# Allegro board 6089-103-RevA_73.brd (continued)
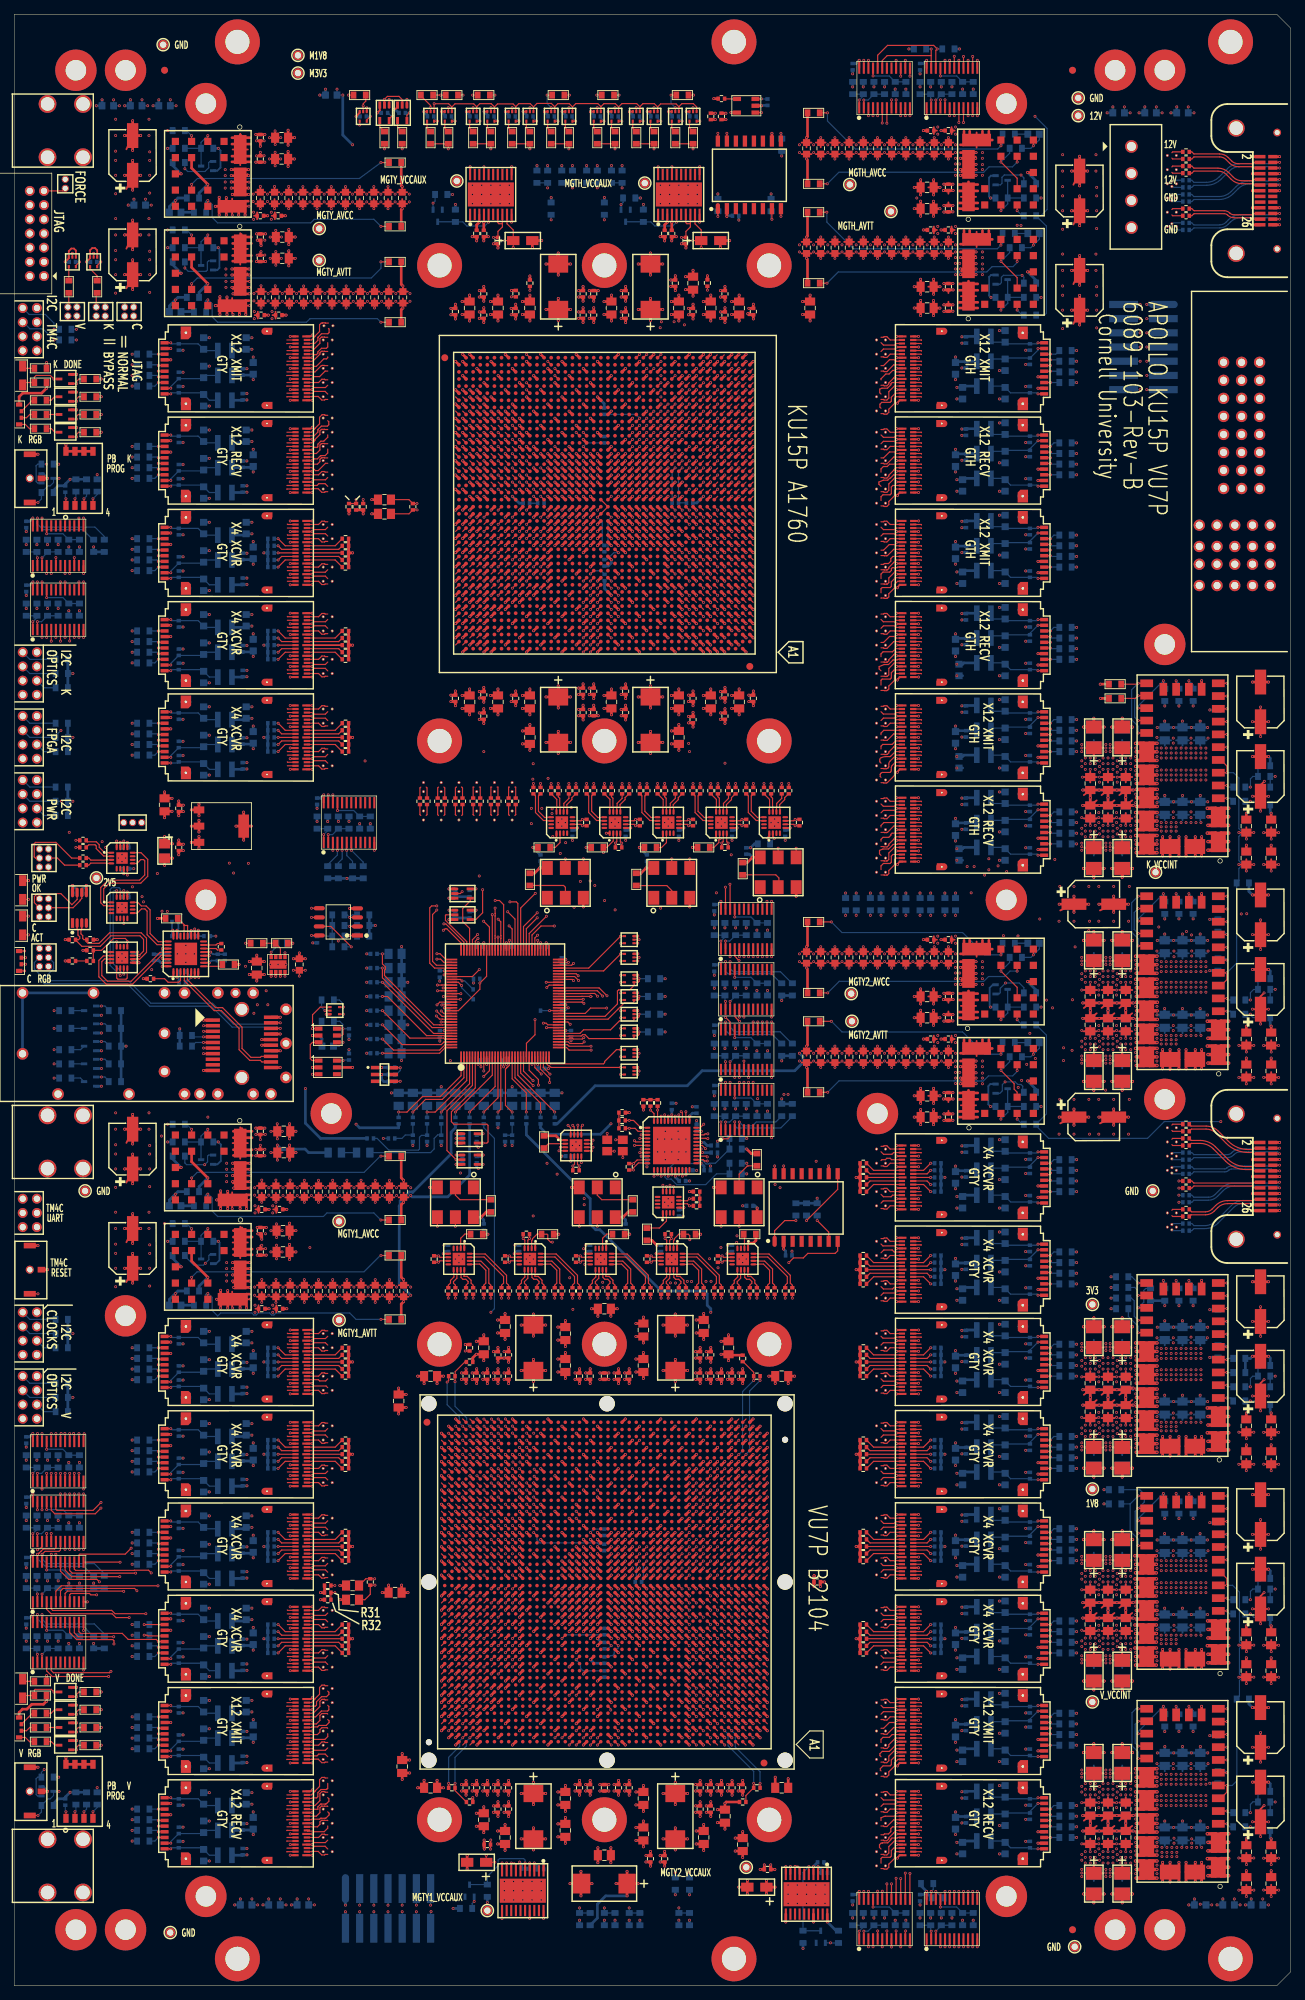
[diagram p0: board, top side]
## Routing (per net, layer and track width the routed paths; a pad name or vN(x,y) marks a point on that pad's centre or on a via; arc(x,y) is an arc through that point) (continued)
PV_FF6_XMIT2: length 27.4
  TOP w0.165: U115.A6 123.49,46.9 123.03,47.36 122.64,47.36 122.56,47.28 122.2,47.28 ; U66.T7 100.17,48.94
  SIG4 w0.083: 122.2,47.28 121.38,47.28 arc(121.28,47.26) 121.2,47.21 121,47.01 arc(120.94,46.97) 120.87,46.96 120.33,46.96 arc(120,47.03) 119.71,47.22 117.46,49.47 arc(117.33,49.56) 117.17,49.59 100.94,49.59 arc(100.73,49.52) 100.59,49.35 arc(100.57,49.27) 100.57,49.19 100.57,49.06 arc(100.56,49.03) 100.54,49 100.48,48.94 100.17,48.94
PV_FF6_XMIT3: length 33.5
  TOP w0.165: 127.95,46.93 127.95,46.9 U115.B6 ; U66.U9 98.17,49.93
  SIG2 w0.083: 98.17,49.93 98.48,49.93 98.56,50.02 98.56,50.15 arc(98.58,50.27) 98.65,50.38 98.68,50.4 arc(98.77,50.47) 98.89,50.49 120.42,50.49 arc(120.8,50.41) 121.13,50.19 121.28,50.05 arc(121.5,49.9) 121.76,49.85 123.19,49.85 arc(123.64,49.76) 124.03,49.5 126.49,47.03 arc(126.76,46.86) 127.07,46.8 127.81,46.8 127.95,46.93
PV_FF7_RECV0: length 31
  TOP w0.165: U25.B17 38.55,84.4 38.5,84.45 ; U66.AU45 61.25,70.85
  SIG1 w0.083: 61.25,70.85 60.96,70.85 arc(60.93,70.86) 60.9,70.88 60.84,70.93 60.84,71.09 arc(60.82,71.2) 60.76,71.29 60.63,71.42 arc(60.53,71.49) 60.42,71.51 59.52,71.51 arc(59.49,71.52) 59.46,71.53 59.22,71.77 arc(59.21,71.8) 59.2,71.83 59.2,71.9 arc(59.18,72.01) 59.11,72.11 46.39,84.83 arc(46.15,84.99) 45.86,85.05 43.78,85.05 arc(43.57,85.01) 43.39,84.89 42.94,84.44 arc(42.76,84.32) 42.55,84.28 38.74,84.28 arc(38.69,84.29) 38.64,84.32 38.51,84.45 38.5,84.45
PV_FF7_RECV1: length 28.8
  TOP w0.165: U25.A17 42.08,84.4 42.19,84.51 43.97,84.51 44.2,84.28 ; U66.AT43 63.23,69.86
  SIG1 w0.083: 44.2,84.28 44.24,84.32 44.92,84.32 arc(45,84.31) 45.08,84.26 45.29,84.05 arc(45.33,84.01) 45.39,84 45.74,84 arc(45.9,83.97) 46.03,83.88 59.43,70.49 arc(59.46,70.46) 59.5,70.45 62.35,70.45 arc(62.52,70.42) 62.66,70.33 62.74,70.24 arc(62.8,70.16) 62.83,70.06 arc(62.84,69.98) 62.88,69.9 62.89,69.9 arc(62.92,69.87) 62.96,69.86 63.23,69.86
PV_FF7_RECV2: length 31.6
  TOP w0.165: U66.AR45 61.25,68.87 ; U25.B14 38.55,85.9 38.5,85.95
  SIG3 w0.083: 61.25,68.87 60.93,68.87 60.84,68.95 60.84,69.13 arc(60.73,69.4) 60.47,69.5 59.81,69.5 arc(59.15,69.64) 58.59,70.01 46.1,82.5 arc(45.66,82.8) 45.14,82.9 42.3,82.9 arc(42.01,82.96) 41.76,83.12 39.32,85.56 arc(39.08,85.72) 38.8,85.78 38.68,85.78 38.51,85.95 38.5,85.95
PV_FF7_RECV3: length 34.9
  TOP w0.165: 44.2,86.28 43.84,86.28 43.76,86.36 43.37,86.36 42.91,85.9 U25.A14 ; U66.AP43 63.23,67.86
  SIG1 w0.083: 44.2,86.28 44.44,86.28 44.48,86.32 44.98,86.32 arc(45.12,86.3) 45.23,86.22 45.28,86.17 arc(45.41,86.08) 45.57,86.05 46.56,86.05 arc(46.92,85.98) 47.23,85.77 53.74,79.26 58.89,74.11 arc(59.01,73.93) 59.05,73.72 59.05,73.42 arc(59.08,73.29) 59.15,73.17 59.72,72.6 arc(59.89,72.49) 60.09,72.45 63.18,72.45 arc(63.41,72.4) 63.61,72.27 63.73,72.16 arc(63.85,71.97) 63.9,71.74 63.9,68.95 arc(63.86,68.77) 63.76,68.62 63.59,68.45 arc(63.44,68.35) 63.27,68.32 62.95,68.32 62.91,68.31 62.85,68.24 62.84,68.2 62.84,67.98 arc(62.84,67.94) 62.86,67.91 62.92,67.86 63.23,67.86
PV_FF7_XMIT0: length 39.4
  TOP w0.165: U66.AU40 66.23,70.85 ; 44.2,91.52 43.88,91.19 42.28,91.19 42.08,91.4 U25.A3
  SIG4 w0.083: 44.2,91.52 44.87,91.52 arc(45,91.54) 45.1,91.61 45.19,91.7 arc(45.31,91.78) 45.45,91.81 45.57,91.81 arc(45.84,91.75) 46.08,91.59 51.78,85.89 arc(52.37,85.01) 52.58,83.97 52.58,78.8 arc(52.82,77.56) 53.53,76.5 59.33,70.7 arc(59.88,70.33) 60.52,70.21 65.47,70.21 arc(65.73,70.31) 65.83,70.57 65.83,70.77 65.92,70.85 66.23,70.85
PV_FF7_XMIT1: length 46.5
  TOP w0.165: U66.AT38 68.23,69.86 ; U25.B3 38.51,91.4
  SIG2 w0.083: 68.23,69.86 67.92,69.86 67.84,69.78 67.84,69.5 67.64,69.29 60.34,69.29 arc(59.61,69.43) 59,69.84 52.84,76.01 arc(52.25,76.89) 52.04,77.93 52.04,85.48 arc(51.81,86.62) 51.17,87.58 48.75,90.01 arc(47.99,90.51) 47.09,90.69 44.29,90.69 arc(43.53,90.84) 42.88,91.27 42.78,91.38 arc(42.61,91.49) 42.41,91.53 38.59,91.53 38.51,91.45 38.51,91.4
PV_FF7_XMIT2: length 39.5
  TOP w0.165: U25.A6 42.91,89.9 43.37,89.44 43.76,89.44 43.84,89.52 44.2,89.52 ; U66.AR40 66.23,68.87
  SIG4 w0.083: 44.2,89.52 44.93,89.52 arc(45.13,89.55) 45.3,89.63 arc(45.47,89.71) 45.66,89.74 46.04,89.74 arc(46.55,89.64) 46.98,89.35 50.34,85.99 arc(51.15,84.77) 51.44,83.33 51.44,78.27 arc(51.74,76.78) 52.58,75.52 59.27,68.83 arc(59.45,68.67) 59.66,68.53 59.87,68.41 arc(60.04,68.34) 60.22,68.32 65.51,68.32 arc(65.62,68.34) 65.72,68.4 65.75,68.43 arc(65.81,68.53) 65.83,68.64 65.83,68.79 65.92,68.87 66.23,68.87
PV_FF7_XMIT3: length 46.4
  TOP w0.165: U66.AP38 68.23,67.86 ; U25.B6 38.51,89.9
  SIG2 w0.083: 38.51,89.9 38.68,90.07 41.45,90.07 arc(42.13,89.94) 42.7,89.55 43.12,89.13 arc(43.56,88.84) 44.07,88.74 46.58,88.74 arc(47.49,88.56) 48.26,88.05 50.31,85.99 arc(50.74,85.35) 50.89,84.6 50.89,77.47 arc(51.16,76.12) 51.92,74.98 59.29,67.61 arc(59.65,67.37) 60.07,67.29 67.64,67.29 67.84,67.5 67.84,67.77 67.92,67.86 68.23,67.86
PV_FF8_RECV0: length 26.4
  TOP w0.165: 38.5,71.45 38.55,71.4 U26.B17 ; U66.AN45 61.25,66.86
  SIG3 w0.083: 38.5,71.45 38.51,71.45 38.68,71.28 41.41,71.28 arc(42.48,71.07) 43.39,70.46 45.7,68.15 arc(46.41,67.68) 47.25,67.51 60.48,67.51 arc(60.74,67.4) 60.84,67.15 60.84,66.95 60.93,66.86 61.25,66.86
PV_FF8_RECV1: length 25
  TOP w0.165: U26.A17 42.08,71.4 42.28,71.61 43.88,71.61 44.2,71.28 ; 63.69,65.41 63.23,65.87
  SIG1 w0.083: 44.2,71.28 45.14,71.28 arc(45.31,71.25) 45.44,71.16 45.49,71.11 arc(45.56,71.07) 45.63,71.05 53.98,71.05 arc(55.04,70.84) 55.93,70.24 59.3,66.87 arc(59.79,66.55) 60.37,66.43 62.47,66.43 arc(62.58,66.41) 62.68,66.34 62.73,66.3 arc(62.81,66.17) 62.84,66.03 62.84,65.96 62.92,65.87 63.23,65.87
PV_FF8_RECV2: length 27.8
  TOP w0.165: U26.B14 38.55,72.9 38.5,72.95 ; U66.AL45 61.25,64.86
  SIG1 w0.083: 61.25,64.86 60.97,64.86 arc(60.88,64.89) 60.84,64.98 60.84,65.2 arc(60.75,65.43) 60.52,65.53 60.06,65.53 arc(59.47,65.64) 58.98,65.97 55.98,68.97 arc(55.05,69.59) 53.96,69.81 44.31,69.81 arc(43.66,69.94) 43.11,70.31 41.01,72.41 arc(40.6,72.68) 40.11,72.78 38.68,72.78 38.51,72.95 38.5,72.95
PV_FF8_RECV3: length 30.2
  TOP w0.165: U66.AK43 63.23,63.87 ; U26.A14 42.91,72.9 43.37,73.36 43.76,73.36 43.84,73.28 44.2,73.28
  SIG1 w0.083: 63.23,63.87 62.92,63.87 62.84,63.95 62.84,64.13 arc(62.88,64.24) 62.99,64.29 63.41,64.29 arc(63.58,64.32) 63.72,64.42 63.81,64.51 arc(63.87,64.61) 63.9,64.73 63.9,66.89 arc(63.87,67.01) 63.81,67.11 63.61,67.31 arc(63.53,67.37) 63.44,67.4 arc(63.36,67.42) 63.29,67.42 60.43,67.42 arc(60.02,67.5) 59.67,67.74 55.06,72.35 arc(54.35,72.82) 53.53,72.98 45.52,72.98 arc(45.36,73.01) 45.23,73.1 45.13,73.2 arc(45.04,73.26) 44.94,73.28 44.2,73.28
PV_FF8_XMIT0: length 31.3
  TOP w0.165: U26.A3 42.08,78.4 42.3,78.17 43.86,78.17 44.2,78.52 ; U66.AN40 66.23,66.86
  SIG4 w0.083: 44.2,78.52 44.89,78.52 arc(45.06,78.55) 45.21,78.65 45.24,78.68 arc(45.36,78.76) 45.51,78.79 46,78.79 arc(47.02,78.59) 47.9,78 59.22,66.68 arc(59.64,66.4) 60.13,66.3 65.51,66.3 arc(65.62,66.32) 65.72,66.39 65.72,66.39 arc(65.81,66.52) 65.83,66.66 65.83,66.78 65.92,66.86 66.23,66.86
PV_FF8_XMIT1: length 37.3
  TOP w0.165: U26.B3 38.51,78.4 ; 68.7,65.41 68.23,65.87
  SIG2 w0.083: 68.23,65.87 67.92,65.87 67.84,65.79 67.84,65.41 67.64,65.2 60.23,65.2 arc(59.71,65.31) 59.27,65.6 53.62,71.25 47.97,76.91 47.97,76.91 arc(47.1,77.49) 46.08,77.69 44.24,77.69 arc(43.43,77.85) 42.75,78.31 42.72,78.33 arc(42.46,78.51) 42.14,78.57 38.68,78.57 38.51,78.4
PV_FF8_XMIT2: length 31.4
  TOP w0.165: U26.A6 42.91,76.9 43.37,76.44 43.76,76.44 43.84,76.52 44.2,76.52 ; U66.AL40 66.23,64.86
  SIG4 w0.083: 66.23,64.86 65.92,64.86 65.83,64.77 65.83,64.56 arc(65.8,64.45) 65.74,64.35 65.72,64.33 arc(65.62,64.26) 65.51,64.24 60.43,64.24 arc(59.81,64.36) 59.3,64.71 47.75,76.25 arc(47.16,76.65) 46.45,76.79 45.56,76.79 arc(45.37,76.75) 45.2,76.64 arc(45.09,76.57) 44.96,76.53 arc(44.92,76.52) 44.88,76.52 44.2,76.52
PV_FF8_XMIT3: length 37.4
  TOP w0.165: U66.AK38 68.23,63.87 ; U26.B6 38.51,76.9
  SIG2 w0.083: 38.51,76.9 38.68,77.07 41.73,77.07 arc(42.24,76.97) 42.68,76.68 42.9,76.46 arc(43.64,75.96) 44.51,75.79 46.48,75.79 arc(47.24,75.64) 47.89,75.2 59.48,63.62 arc(59.82,63.39) 60.22,63.31 67.64,63.31 67.84,63.52 67.84,63.78 67.92,63.87 68.23,63.87
PV_FF9_RECV0: length 27.1
  TOP w0.165: U66.AJ45 61.25,62.88 ; 38.5,58.45 38.55,58.4 U27.B17
  SIG3 w0.083: 61.25,62.88 61,62.88 60.85,63.03 60.85,63.15 arc(60.83,63.26) 60.77,63.35 60.72,63.41 arc(60.62,63.47) 60.51,63.49 46.55,63.49 arc(45.87,63.36) 45.29,62.97 42.4,60.08 40.86,58.54 arc(40.58,58.35) 40.24,58.28 38.68,58.28 38.51,58.45 38.5,58.45
PV_FF9_RECV1: length 29.5
  TOP w0.165: U27.A17 42.08,58.4 42.29,58.61 43.87,58.61 44.2,58.28 ; U66.AH43 63.23,61.86
  SIG1 w0.083: 63.23,61.86 62.92,61.86 62.84,61.94 62.84,62.15 arc(62.88,62.25) 62.98,62.29 63.33,62.29 arc(63.4,62.28) 63.47,62.23 63.6,62.1 arc(63.66,62) 63.69,61.88 63.69,58.7 arc(63.67,58.62) 63.61,58.57 arc(63.56,58.55) 63.52,58.53 arc(63.48,58.52) 63.44,58.52 56.49,58.52 arc(56.13,58.45) 55.83,58.24 55.77,58.19 arc(55.52,58.02) 55.22,57.96 50.77,57.96 arc(50.71,57.98) 50.69,58.04 arc(50.67,58.09) 50.61,58.12 50.44,58.12 arc(50.38,58.09) 50.36,58.04 arc(50.34,57.98) 50.28,57.96 50.11,57.96 arc(50.05,57.98) 50.03,58.04 arc(50.01,58.09) 49.95,58.12 49.78,58.12 arc(49.72,58.09) 49.7,58.04 arc(49.68,57.98) 49.62,57.96 49.45,57.96 arc(49.39,57.98) 49.37,58.04 arc(49.35,58.09) 49.29,58.12 49.12,58.12 arc(49.06,58.09) 49.04,58.04 arc(49.02,57.98) 48.96,57.96 48.79,57.96 arc(48.73,57.98) 48.71,58.04 arc(48.69,58.09) 48.63,58.12 48.46,58.12 arc(48.4,58.09) 48.38,58.04 arc(48.36,57.98) 48.3,57.96 48.13,57.96 arc(48.07,57.98) 48.05,58.04 arc(48.03,58.09) 47.97,58.12 47.8,58.12 arc(47.74,58.09) 47.72,58.04 arc(47.7,57.98) 47.64,57.96 45.56,57.96 arc(45.41,57.99) 45.29,58.07 45.24,58.12 arc(45.06,58.24) 44.85,58.28 44.2,58.28
PV_FF9_RECV2: length 25.6
  TOP w0.165: U66.AG45 61.25,60.87 ; U27.B14 38.55,59.9 38.5,59.95
  SIG1 w0.083: 61.25,60.87 60.93,60.87 60.84,60.95 60.84,61.11 arc(60.82,61.23) 60.76,61.32 60.71,61.36 arc(60.62,61.43) 60.51,61.45 45.05,61.45 arc(44.13,61.27) 43.34,60.74 42.84,60.24 arc(42.28,59.87) 41.62,59.74 38.73,59.74 38.51,59.95 38.5,59.95
PV_FF9_RECV3: length 23.4
  TOP w0.165: 44.2,60.28 43.84,60.28 43.76,60.36 43.37,60.36 42.91,59.9 U27.A14 ; U66.AF43 63.23,59.85
  SIG1 w0.083: 44.2,60.28 45.05,60.28 arc(45.17,60.26) 45.27,60.19 45.28,60.18 arc(45.41,60.09) 45.56,60.06 51.63,60.06 arc(51.66,60.07) 51.69,60.08 51.79,60.18 arc(52.09,60.39) 52.45,60.46 62.37,60.46 arc(62.44,60.45) 62.51,60.44 arc(62.59,60.41) 62.66,60.37 arc(62.77,60.27) 62.81,60.12 62.81,59.94 62.89,59.85 63.23,59.85
PV_FF9_XMIT0: length 27.7
  TOP w0.165: 44.2,65.52 43.87,65.19 42.29,65.19 42.08,65.4 U27.A3 ; U66.AJ40 66.23,62.88
  SIG4 w0.083: 66.23,62.88 65.92,62.88 65.83,62.79 arc(65.83,62.79) 65.83,62.79 arc(65.83,62.76) 65.83,62.72 65.83,62.61 arc(65.81,62.47) 65.75,62.34 arc(65.75,62.34) 65.75,62.34 arc(65.64,62.24) 65.5,62.21 53.8,62.21 arc(53.04,62.36) 52.39,62.79 49.96,65.22 arc(49.29,65.67) 48.5,65.83 45.54,65.83 arc(45.39,65.8) 45.27,65.72 45.18,65.63 arc(45.06,65.55) 44.91,65.52 44.2,65.52
PV_FF9_XMIT1: length 33.6
  TOP w0.165: U27.B3 38.51,65.4 ; U66.AH38 68.23,61.86
  SIG2 w0.083: 68.23,61.86 67.92,61.86 67.84,61.78 67.84,61.42 67.64,61.22 60.4,61.22 arc(59.88,61.32) 59.44,61.62 56.91,64.14 arc(56.3,64.55) 55.58,64.69 44.57,64.69 arc(43.82,64.84) 43.19,65.26 43.13,65.33 arc(42.86,65.51) 42.54,65.57 38.68,65.57 38.51,65.4
PV_FF9_XMIT2: length 27.7
  TOP w0.165: 44.2,63.52 43.84,63.52 43.76,63.44 43.37,63.44 42.91,63.9 U27.A6 ; U66.AG40 66.23,60.87
  SIG4 w0.083: 66.23,60.87 65.92,60.87 65.83,60.79 arc(65.83,60.79) 65.83,60.79 arc(65.83,60.76) 65.83,60.73 65.83,60.68 arc(65.83,60.61) 65.82,60.55 arc(65.79,60.47) 65.75,60.39 arc(65.64,60.29) 65.5,60.25 53.38,60.25 arc(52.57,60.41) 51.88,60.87 49.35,63.4 arc(48.92,63.69) 48.4,63.79 45.83,63.79 arc(45.66,63.76) 45.52,63.66 45.52,63.66 arc(45.36,63.56) 45.18,63.52 44.2,63.52
PV_FF9_XMIT3: length 33.7
  TOP w0.165: U66.AF38 68.23,59.85 ; U27.B6 38.51,63.9
  SIG2 w0.083: 68.23,59.85 67.92,59.85 67.84,59.77 67.84,59.5 67.64,59.3 60.2,59.3 arc(59.93,59.35) 59.69,59.51 56.93,62.27 arc(56.46,62.59) 55.89,62.7 44.47,62.7 arc(43.85,62.82) 43.33,63.17 42.8,63.7 arc(42.39,63.97) 41.9,64.07 38.68,64.07 38.51,63.9
PV_FF10_RECV0: length 28.6
  TOP w0.165: 38.5,45.45 38.55,45.4 U28.B17 ; U66.AA45 61.25,53.95
  SIG1 w0.083: 38.5,45.45 38.7,45.24 39.97,45.24 arc(40.52,45.35) 40.99,45.67 48.35,53.03 arc(49.88,54.09) 51.69,54.53 60.51,54.53 arc(60.64,54.5) 60.74,54.43 arc(60.82,54.32) 60.84,54.19 60.84,54.03 60.93,53.95 61.25,53.95
PV_FF10_RECV1: length 30.5
  TOP w0.165: U28.A17 42.08,45.4 42.29,45.62 43.86,45.62 44.2,45.28 ; U66.Y43 63.23,52.93
  SIG3 w0.083: 63.23,52.93 62.94,52.93 62.91,52.96 62.91,53.19 arc(62.92,53.23) 62.94,53.27 62.97,53.29 arc(62.99,53.31) 63.02,53.32 63.46,53.32 arc(63.52,53.31) 63.57,53.27 63.64,53.2 arc(63.68,53.15) 63.69,53.09 63.69,50.99 arc(63.66,50.85) 63.58,50.72 63.54,50.69 arc(63.34,50.56) 63.11,50.51 60.38,50.51 arc(59.83,50.4) 59.37,50.09 54.93,45.65 arc(54.22,45.18) 53.38,45.01 51.3,45.01 arc(51.23,45.04) 51.2,45.11 arc(51.17,45.18) 51.1,45.21 50.97,45.21 arc(50.9,45.18) 50.87,45.11 arc(50.84,45.04) 50.77,45.01 50.64,45.01 arc(50.57,45.04) 50.54,45.11 arc(50.51,45.18) 50.44,45.21 50.31,45.21 arc(50.24,45.18) 50.21,45.11 arc(50.18,45.04) 50.11,45.01 49.98,45.01 arc(49.91,45.04) 49.88,45.11 arc(49.85,45.18) 49.78,45.21 49.65,45.21 arc(49.58,45.18) 49.55,45.11 arc(49.52,45.04) 49.45,45.01 49.32,45.01 arc(49.25,45.04) 49.22,45.11 arc(49.19,45.18) 49.12,45.21 48.99,45.21 arc(48.92,45.18) 48.89,45.11 arc(48.86,45.04) 48.79,45.01 48.66,45.01 arc(48.59,45.04) 48.56,45.11 arc(48.53,45.18) 48.46,45.21 48.33,45.21 arc(48.26,45.18) 48.23,45.11 arc(48.2,45.04) 48.13,45.01 45.55,45.01 arc(45.41,45.04) 45.3,45.11 45.21,45.2 arc(45.12,45.26) 45.01,45.28 44.2,45.28
PV_FF10_RECV2: length 27.2
  TOP w0.165: U66.W45 61.25,51.94 ; U28.B14 38.55,46.9 38.5,46.95
  SIG3 w0.083: 38.5,46.95 38.51,46.95 38.68,46.78 39.5,46.78 arc(39.85,46.85) 40.16,47.05 40.86,47.76 arc(41.2,47.98) 41.59,48.06 54.31,48.06 arc(55.22,48.24) 56,48.76 59.43,52.19 arc(59.84,52.46) 60.32,52.56 60.52,52.56 arc(60.63,52.54) 60.73,52.47 60.74,52.46 arc(60.82,52.34) 60.84,52.2 60.84,52.02 60.93,51.94 61.25,51.94
PV_FF10_RECV3: length 25
  TOP w0.165: U66.V43 63.23,50.92 ; U28.A14 42.91,46.9 43.37,47.36 43.76,47.36 43.84,47.28 44.2,47.28
  SIG1 w0.083: 44.2,47.28 45.03,47.28 arc(45.1,47.27) 45.16,47.22 45.28,47.11 arc(45.38,47.04) 45.51,47.01 46.43,47.01 arc(46.71,47.07) 46.94,47.22 50.03,50.32 arc(51.29,51.18) 52.78,51.55 62.51,51.55 arc(62.63,51.53) 62.73,51.46 arc(62.81,51.34) 62.84,51.21 62.84,51.01 62.92,50.92 63.23,50.92
PV_FF10_XMIT0: length 26.5
  TOP w0.165: U66.AA40 66.23,53.95 ; U28.A3 42.08,52.4 42.28,52.2 43.88,52.2 44.2,52.52
  SIG4 w0.083: 66.23,53.95 65.92,53.95 65.83,53.86 65.83,53.68 arc(65.81,53.56) 65.74,53.46 65.68,53.39 arc(65.58,53.32) 65.46,53.3 56.52,53.3 arc(56.32,53.26) 56.15,53.15 56.04,53.04 arc(55.71,52.82) 55.32,52.74 45.75,52.74 arc(45.61,52.71) 45.49,52.63 arc(45.39,52.57) 45.27,52.53 arc(45.23,52.52) 45.19,52.52 44.2,52.52
PV_FF10_XMIT1: length 32.3
  TOP w0.165: U28.B3 38.51,52.4 ; U66.Y38 68.23,52.93
  SIG2 w0.083: 38.51,52.4 38.68,52.57 42.8,52.57 arc(42.97,52.54) 43.11,52.44 43.5,52.05 arc(43.72,51.9) 43.99,51.85 54.95,51.85 arc(55.44,51.95) 55.85,52.22 55.86,52.23 arc(56.02,52.34) 56.21,52.37 67.51,52.37 arc(67.74,52.47) 67.84,52.71 67.84,52.85 67.92,52.93 68.23,52.93
PV_FF10_XMIT2: length 26.5
  TOP w0.165: 44.2,50.52 43.84,50.52 43.76,50.44 43.37,50.44 42.91,50.9 U28.A6 ; U66.W40 66.23,51.94
  SIG4 w0.083: 66.23,51.94 65.92,51.94 65.83,51.86 65.83,51.71 arc(65.81,51.6) 65.75,51.5 65.72,51.47 arc(65.62,51.41) 65.51,51.38 53.1,51.38 arc(52.8,51.32) 52.55,51.16 52.44,51.04 arc(52.17,50.86) 51.85,50.8 45.49,50.8 arc(45.36,50.77) 45.25,50.7 45.17,50.62 arc(45.06,50.54) 44.93,50.52 44.2,50.52
PV_FF10_XMIT3: length 32.5
  TOP w0.165: U28.B6 38.51,50.9 ; U66.V38 68.23,50.92
  SIG2 w0.083: 38.51,50.9 38.68,51.07 41.77,51.07 arc(42.19,50.99) 42.55,50.75 42.99,50.31 arc(43.44,50.01) 43.98,49.9 52.49,49.9 arc(52.82,49.97) 53.1,50.15 53.29,50.34 arc(53.32,50.36) 53.36,50.37 60.46,50.37 60.47,50.37 61.01,50.37 61.02,50.37 61.48,50.37 61.48,50.37 62,50.37 62.01,50.37 62.47,50.37 62.47,50.37 62.99,50.37 63,50.37 63.46,50.37 63.46,50.37 64.01,50.37 64.01,50.37 64.47,50.37 64.48,50.37 65,50.37 65,50.37 65.46,50.37 65.47,50.37 65.99,50.37 66,50.37 66.46,50.37 66.46,50.37 67.51,50.37 arc(67.75,50.47) 67.84,50.7 67.84,50.84 67.92,50.92 68.23,50.92
PV_FF11_RECV0: length 34.3
  TOP w0.165: 122.2,27.28 122.56,27.28 122.64,27.36 123.03,27.36 123.49,26.9 U117.A18 ; U66.N4 103.17,45.95
  SIG2 w0.083: 122.2,27.28 121.41,27.28 arc(121.35,27.27) 121.31,27.24 121.07,27.01 arc(121.05,26.99) 121.02,26.98 120.91,26.98 arc(120.84,27) 120.78,27.04 119.25,28.57 arc(119.07,28.84) 119.01,29.15 119.01,32.32 arc(118.68,34) 117.73,35.42 107.03,46.11 arc(106.59,46.41) 106.07,46.51 103.82,46.51 arc(103.77,46.5) 103.74,46.48 103.65,46.39 arc(103.58,46.3) 103.56,46.18 103.56,46.03 103.48,45.95 103.17,45.95
PV_FF11_RECV1: length 33.7
  TOP w0.165: U66.M2 105.15,44.93 ; 127.9,26.88 127.9,26.85 127.85,26.9 U117.B18
  SIG4 w0.083: 127.9,26.88 127.76,26.74 127.25,26.74 arc(126.87,26.82) 126.54,27.03 124.96,28.61 arc(124.5,28.92) 123.96,29.03 121.24,29.03 arc(121.02,29.08) 120.82,29.2 118.4,31.63 arc(118.21,31.9) 118.15,32.23 118.15,33.26 arc(118.01,33.97) 117.61,34.57 106.99,45.19 arc(106.69,45.39) 106.34,45.46 105.88,45.46 arc(105.77,45.44) 105.68,45.37 105.65,45.35 arc(105.58,45.24) 105.56,45.12 105.56,45.06 arc(105.55,45.02) 105.52,44.98 105.47,44.93 105.15,44.93
PV_FF11_RECV2: length 34.2
  TOP w0.165: 122.2,25.28 122.54,25.62 124.11,25.62 124.32,25.4 U117.A15 ; U66.L4 103.17,43.94
  SIG2 w0.083: 103.17,43.94 103.48,43.94 103.56,44.02 103.56,44.17 arc(103.66,44.4) 103.88,44.49 104.92,44.49 104.92,44.49 105.38,44.49 105.38,44.49 105.94,44.49 105.94,44.49 106.29,44.49 arc(106.34,44.49) 106.38,44.49 arc(106.81,44.38) 107.17,44.13 116.59,34.71 arc(117.19,33.81) 117.4,32.76 117.4,29.91 arc(117.67,28.56) 118.44,27.41 120.76,25.09 arc(120.84,25.04) 120.92,25.02 120.99,25.02 arc(121.06,25.03) 121.12,25.07 121.27,25.22 arc(121.33,25.27) 121.41,25.28 122.2,25.28
PV_FF11_RECV3: length 33.2
  TOP w0.165: U117.B15 127.85,25.4 127.9,25.35 127.9,25.38 ; U66.K2 105.15,42.95
  SIG4 w0.083: 127.9,25.38 127.74,25.22 126.9,25.22 arc(126.59,25.29) 126.32,25.47 125.11,26.67 arc(124.88,26.82) 124.61,26.88 124.42,26.88 arc(124.28,26.91) 124.16,26.99 123.3,27.84 arc(123.05,28.01) 122.76,28.06 120.79,28.06 arc(120.47,28.13) 120.21,28.3 117.14,31.37 arc(116.97,31.63) 116.91,31.93 116.91,32.56 arc(116.79,33.16) 116.45,33.67 106.84,43.28 arc(106.62,43.43) 106.36,43.48 105.88,43.48 arc(105.77,43.46) 105.68,43.39 105.65,43.36 arc(105.58,43.26) 105.56,43.14 105.56,43.03 105.47,42.95 105.15,42.95
PV_FF11_RECV4: length 34.6
  TOP w0.165: U66.J4 103.17,41.93 ; U117.A12 122.81,23.9 arc(122.73,23.89) 122.65,23.87 122.2,23.68 122.2,23.28
  SIG2 w0.083: 103.17,41.93 103.48,41.93 103.56,42.01 103.56,42.16 arc(103.58,42.27) 103.65,42.37 103.68,42.4 arc(103.78,42.47) 103.89,42.49 106.45,42.49 arc(106.66,42.45) 106.83,42.33 115.15,34.01 arc(116.05,32.67) 116.36,31.09 116.36,28.39 arc(116.61,27.14) 117.32,26.08 120.29,23.11 arc(120.45,23) 120.65,22.96 120.87,22.96 arc(120.99,22.98) 121.09,23.05 121.23,23.19 arc(121.33,23.26) 121.45,23.28 122.2,23.28
PV_FF11_RECV5: length 32.9
  TOP w0.165: U66.H2 105.15,40.94 ; U117.B12 127.85,23.9 127.9,23.85 127.9,23.88
  SIG4 w0.083: 127.9,23.88 127.74,23.73 127.53,23.73 arc(127.03,23.82) 126.61,24.1 125.34,25.37 arc(125.14,25.51) 124.91,25.55 124.39,25.55 arc(124.26,25.58) 124.15,25.65 123.97,25.83 arc(123.84,25.91) 123.7,25.94 121.18,25.94 arc(120.92,25.99) 120.71,26.14 115.89,30.96 arc(115.76,31.16) 115.71,31.39 115.71,31.95 arc(115.65,32.23) 115.5,32.46 106.6,41.35 arc(106.42,41.48) 106.19,41.52 105.89,41.52 arc(105.77,41.5) 105.67,41.43 105.65,41.41 arc(105.58,41.31) 105.56,41.19 105.56,41.02 105.47,40.94 105.15,40.94
PV_FF11_RECV6: length 35.2
  TOP w0.165: U117.A9 123.82,22.4 123.58,22.17 123.58,21.73 123.26,21.4 122.68,21.4 122.56,21.28 122.2,21.28 ; U66.G4 103.17,39.93
  SIG2 w0.083: 122.2,21.28 121.42,21.28 arc(121.33,21.26) 121.25,21.21 121.05,21.01 arc(121,20.97) 120.94,20.96 120.62,20.96 arc(120.28,21.03) 119.99,21.22 115.85,25.36 arc(115.37,26.08) 115.2,26.93 115.2,29.83 arc(114.77,31.99) 113.55,33.81 107.02,40.35 arc(106.79,40.5) 106.53,40.55 103.94,40.55 arc(103.82,40.53) 103.72,40.46 103.65,40.39 arc(103.59,40.29) 103.56,40.17 103.56,40.01 103.48,39.93 103.17,39.93
PV_FF11_RECV7: length 32.6
  TOP w0.165: U66.F2 105.15,38.93 ; U117.B9 127.85,22.4 127.9,22.35 127.9,22.38
  SIG4 w0.083: 127.9,22.38 127.74,22.22 127.38,22.22 arc(126.92,22.32) 126.52,22.58 125.33,23.77 arc(125.05,23.95) 124.73,24.02 121.48,24.02 arc(121.21,24.07) 120.99,24.22 114.53,30.68 arc(114.44,30.81) 114.41,30.98 114.41,31.26 arc(114.35,31.56) 114.18,31.82 106.51,39.49 106.33,39.56 105.84,39.56 105.67,39.49 105.56,39.22 105.56,39.02 105.47,38.93 105.15,38.93
PV_FF11_RECV8: length 35.7
  TOP w0.165: U66.E4 103.17,37.94 ; U117.A6 124.55,20.9 124.47,20.82 123.74,20.82 123.59,20.67 123.59,20.59 123.15,20.14 122.41,20.14 122.37,20.11 122.21,20.11 121.98,19.88 121.98,19.5 122.2,19.28
  SIG2 w0.083: 122.2,19.28 121.58,19.28 arc(121.39,19.24) 121.24,19.14 121.14,19.04 arc(121.06,18.99) 120.98,18.97 120.66,18.97 arc(120.55,18.99) 120.45,19.06 114.54,24.96 arc(113.96,25.83) 113.76,26.86 113.76,30.29 arc(113.5,31.57) 112.78,32.65 107.2,38.23 arc(106.8,38.5) 106.34,38.59 104.02,38.59 arc(103.7,38.46) 103.56,38.15 arc(103.49,38) 103.34,37.94 103.17,37.94
PV_FF11_RECV9: length 32.4
  TOP w0.165: U66.D2 105.15,36.93 ; U117.B6 127.85,20.9 127.9,20.85 127.9,20.88
  SIG4 w0.083: 105.15,36.93 105.43,36.93 arc(105.46,36.92) 105.49,36.92 arc(105.53,36.95) 105.56,36.98 105.56,37.04 105.56,37.05 105.56,37.23 105.67,37.5 105.74,37.57 105.86,37.6 106.17,37.6 arc(106.56,37.52) 106.89,37.3 112.85,31.34 arc(113.1,30.98) 113.21,30.55 arc(113.21,30.51) 113.22,30.47 arc(113.33,30.19) 113.46,29.91 arc(113.48,29.87) 113.5,29.84 121.08,22.27 arc(121.4,22.05) 121.77,21.98 124.98,21.98 arc(125.31,21.91) 125.58,21.73 126.31,21 arc(126.6,20.81) 126.93,20.74 127.76,20.74 127.9,20.88
PV_FF11_RECV10: length 36.6
  TOP w0.165: U117.A3 123.99,19.4 123.65,19.06 123.65,18.27 123.48,18.11 122.37,18.11 122.2,17.94 122.2,17.28 ; U66.C4 103.17,35.94
  SIG2 w0.083: 103.17,35.94 103.44,35.94 arc(103.5,35.93) 103.56,35.96 arc(103.56,36) 103.56,36.05 arc(103.56,36.06) 103.56,36.06 103.56,36.13 arc(103.57,36.2) 103.6,36.27 103.64,36.35 arc(103.66,36.39) 103.7,36.41 arc(103.82,36.48) 103.96,36.5 arc(103.97,36.5) 103.97,36.5 106.55,36.5 arc(107.22,36.37) 107.78,35.99 112.09,31.68 arc(112.43,31.17) 112.55,30.57 112.55,25.08 arc(112.67,24.46) 113.03,23.93 119.62,17.34 arc(120.04,17.06) 120.54,16.96 120.74,16.96 arc(120.84,16.98) 120.93,17.04 120.98,17.09 arc(121.19,17.23) 121.44,17.28 122.2,17.28
PV_FF11_RECV11: length 35.1
  TOP w0.165: 127.9,19.38 127.9,19.35 127.85,19.4 U117.B3 ; U66.A5 102.16,33.93
  SIG4 w0.083: 102.16,33.93 102.48,33.93 102.53,33.99 arc(102.55,34.02) 102.56,34.05 102.56,34.14 arc(102.59,34.27) 102.66,34.38 102.68,34.4 arc(102.77,34.46) 102.89,34.49 108.01,34.49 arc(108.36,34.42) 108.66,34.22 111.45,31.42 arc(111.67,31.09) 111.75,30.7 111.75,29.92 arc(111.85,29.44) 112.12,29.03 120.96,20.2 arc(121.13,20.08) 121.34,20.03 123.36,20.03 arc(123.74,19.96) 124.05,19.75 124.4,19.4 arc(124.6,19.27) 124.84,19.22 127.74,19.22 127.9,19.38
PV_FF11_XMIT0: length 34.8
  TOP w0.165: U66.N9 98.17,45.95 ; 127.9,39.88 127.9,39.85 127.85,39.9 U116.B18
  SIG3 w0.083: 98.17,45.95 98.48,45.95 98.53,46 arc(98.55,46.03) 98.56,46.06 98.56,46.26 arc(98.58,46.38) 98.64,46.47 98.68,46.5 arc(98.77,46.57) 98.88,46.59 116.65,46.59 arc(117.61,46.4) 118.44,45.85 124.44,39.85 arc(124.58,39.75) 124.74,39.72 127.48,39.72 arc(127.52,39.72) 127.56,39.73 arc(127.74,39.78) 127.9,39.88
PV_FF11_XMIT1: length 28.6
  TOP w0.165: 122.2,40.28 122.56,40.28 122.64,40.36 123.03,40.36 123.49,39.9 U116.A18 ; U66.M7 100.17,44.93
  SIG1 w0.083: 100.17,44.93 100.44,44.93 arc(100.53,44.97) 100.57,45.05 100.57,45.16 arc(100.69,45.46) 100.98,45.58 114.21,45.58 arc(114.71,45.48) 115.13,45.2 120.14,40.19 arc(120.39,40.02) 120.7,39.96 120.86,39.96 arc(120.99,39.98) 121.1,40.06 121.21,40.17 arc(121.33,40.25) 121.48,40.28 122.2,40.28
PV_FF11_XMIT2: length 34.5
  TOP w0.165: U66.L9 98.17,43.94 ; 127.9,38.38 127.9,38.35 127.85,38.4 U116.B15
  SIG3 w0.083: 127.9,38.38 127.87,38.35 arc(127.72,38.25) 127.56,38.22 124.18,38.22 arc(123.99,38.26) 123.83,38.37 123.27,38.92 arc(123.07,39.06) 122.82,39.11 120.56,39.11 arc(120.17,39.19) 119.84,39.41 117.44,41.81 115.46,43.79 arc(114.6,44.36) 113.6,44.56 98.88,44.56 arc(98.79,44.55) 98.71,44.5 arc(98.7,44.49) 98.68,44.47 98.67,44.47 98.57,44.3 98.56,44.28 98.56,44.06 98.56,44.03 98.55,44.01 98.46,43.94 98.17,43.94
